# Altium PCB power.PcbDoc (part 1 of 2)
Units mm, origin at the board's own origin, x right, y up, seen from the top; angles counter-clockwise.
Board outline 95 x 58 mm, 6 copper layers (Top Layer, GND, Inner 1, Inner 2, PWR, Bottom Layer), stack 1.651 mm thick; 197 components, 106 nets, 625 pads, 626 vias.
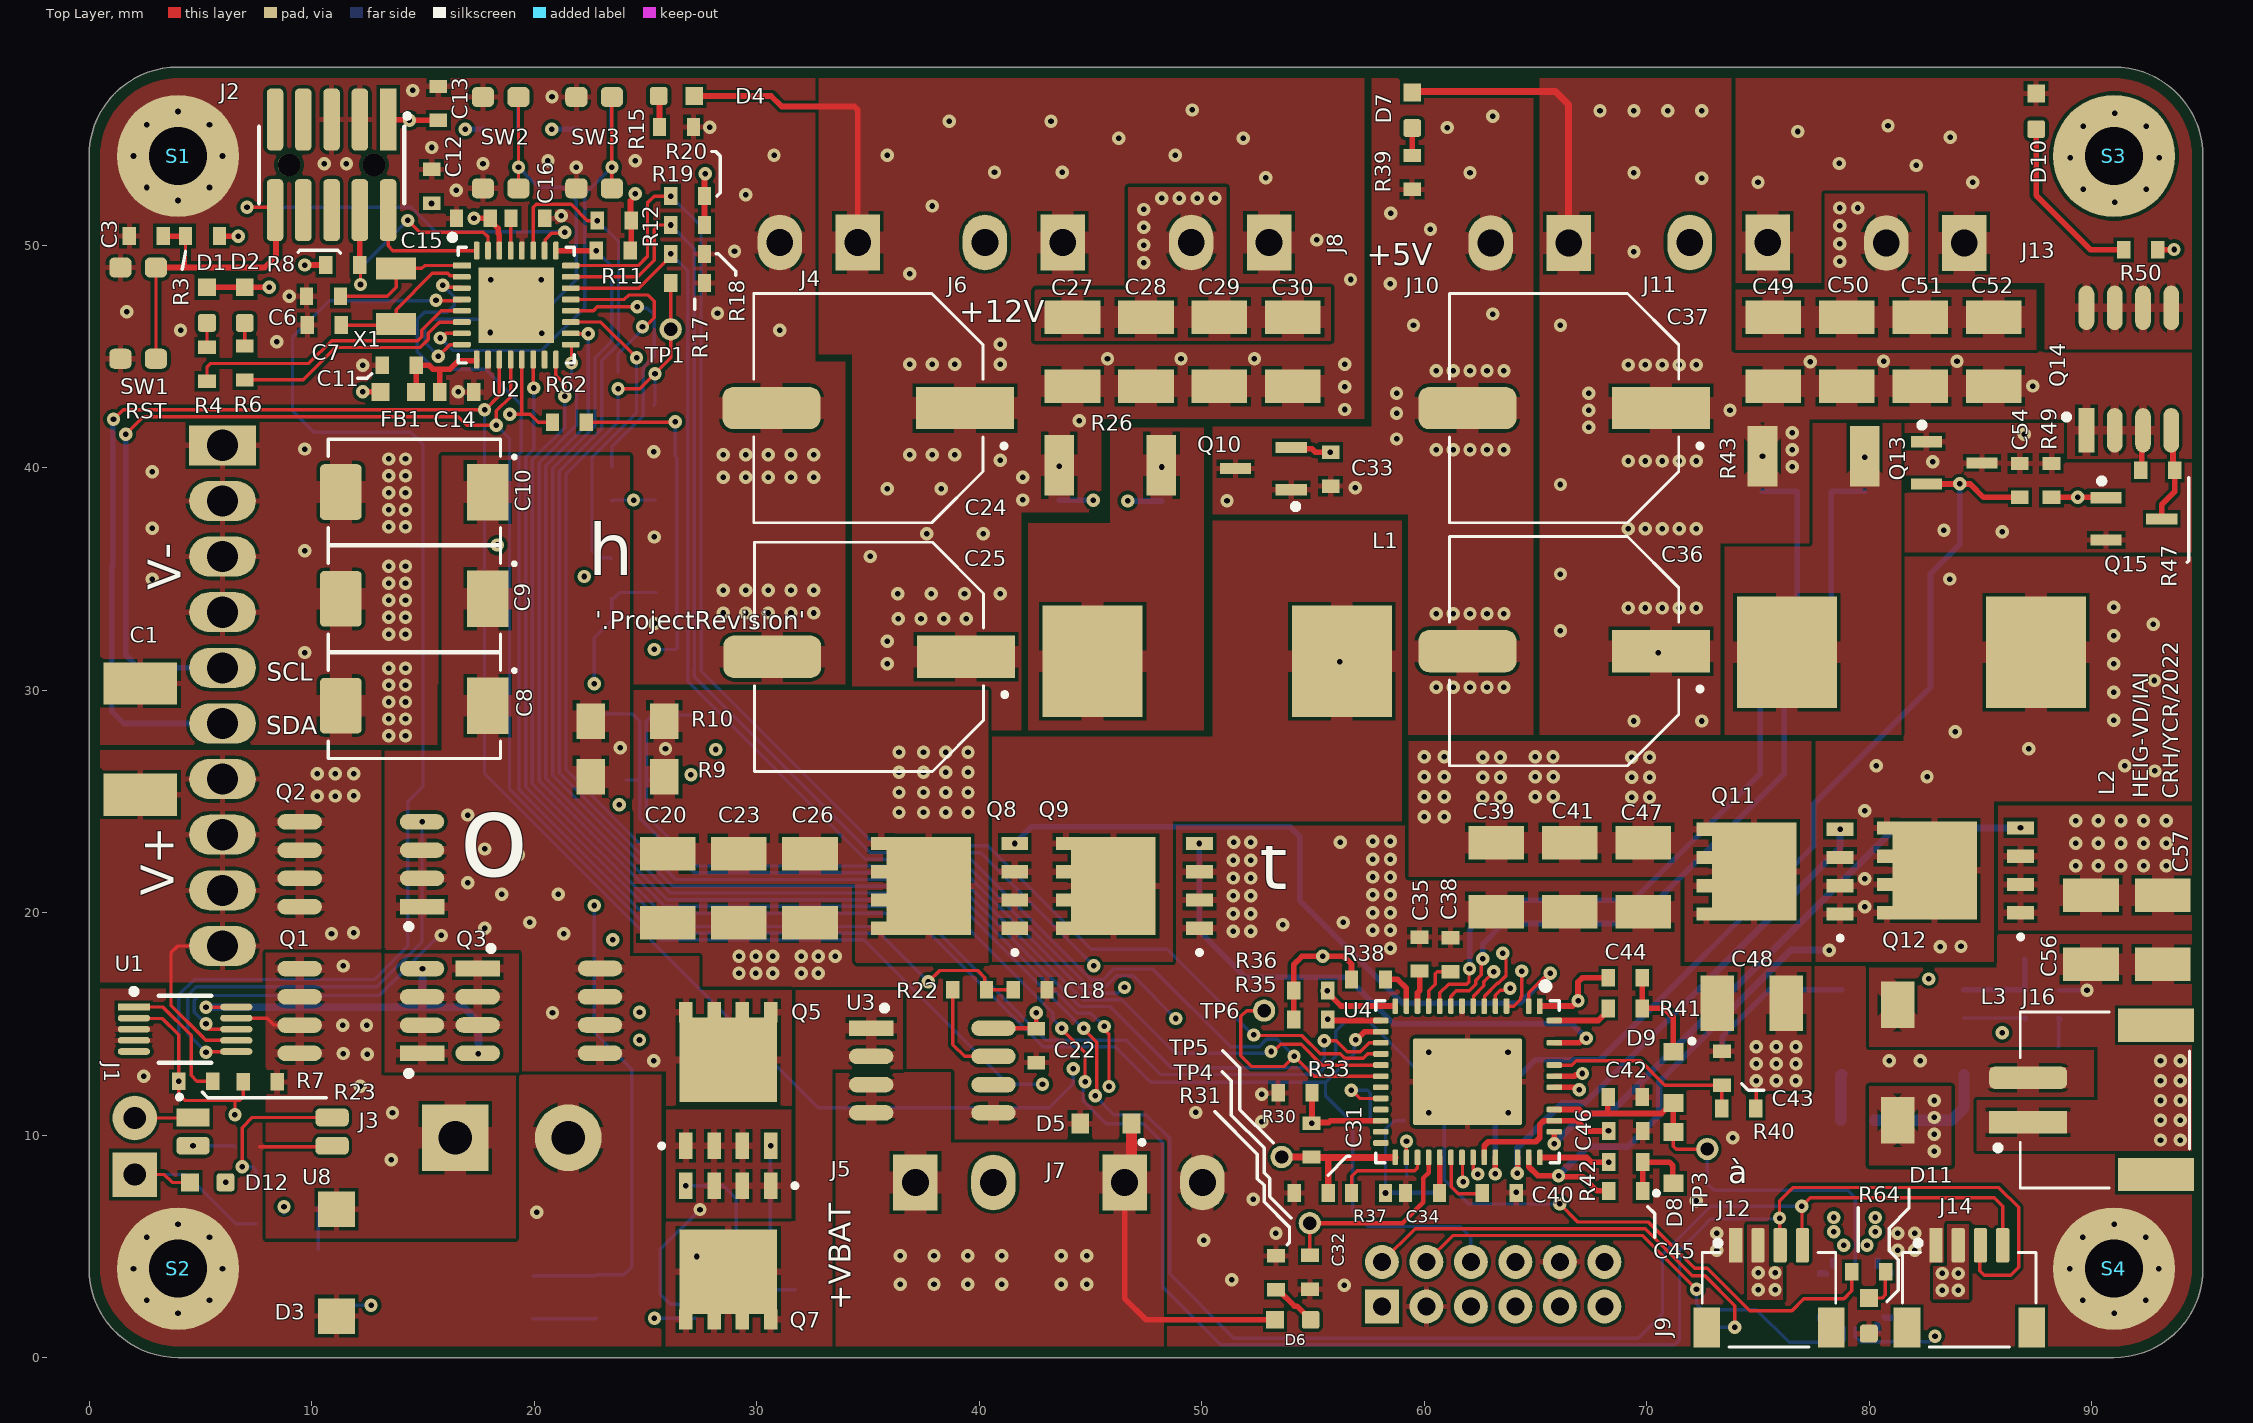
[diagram p0: Top Layer view]
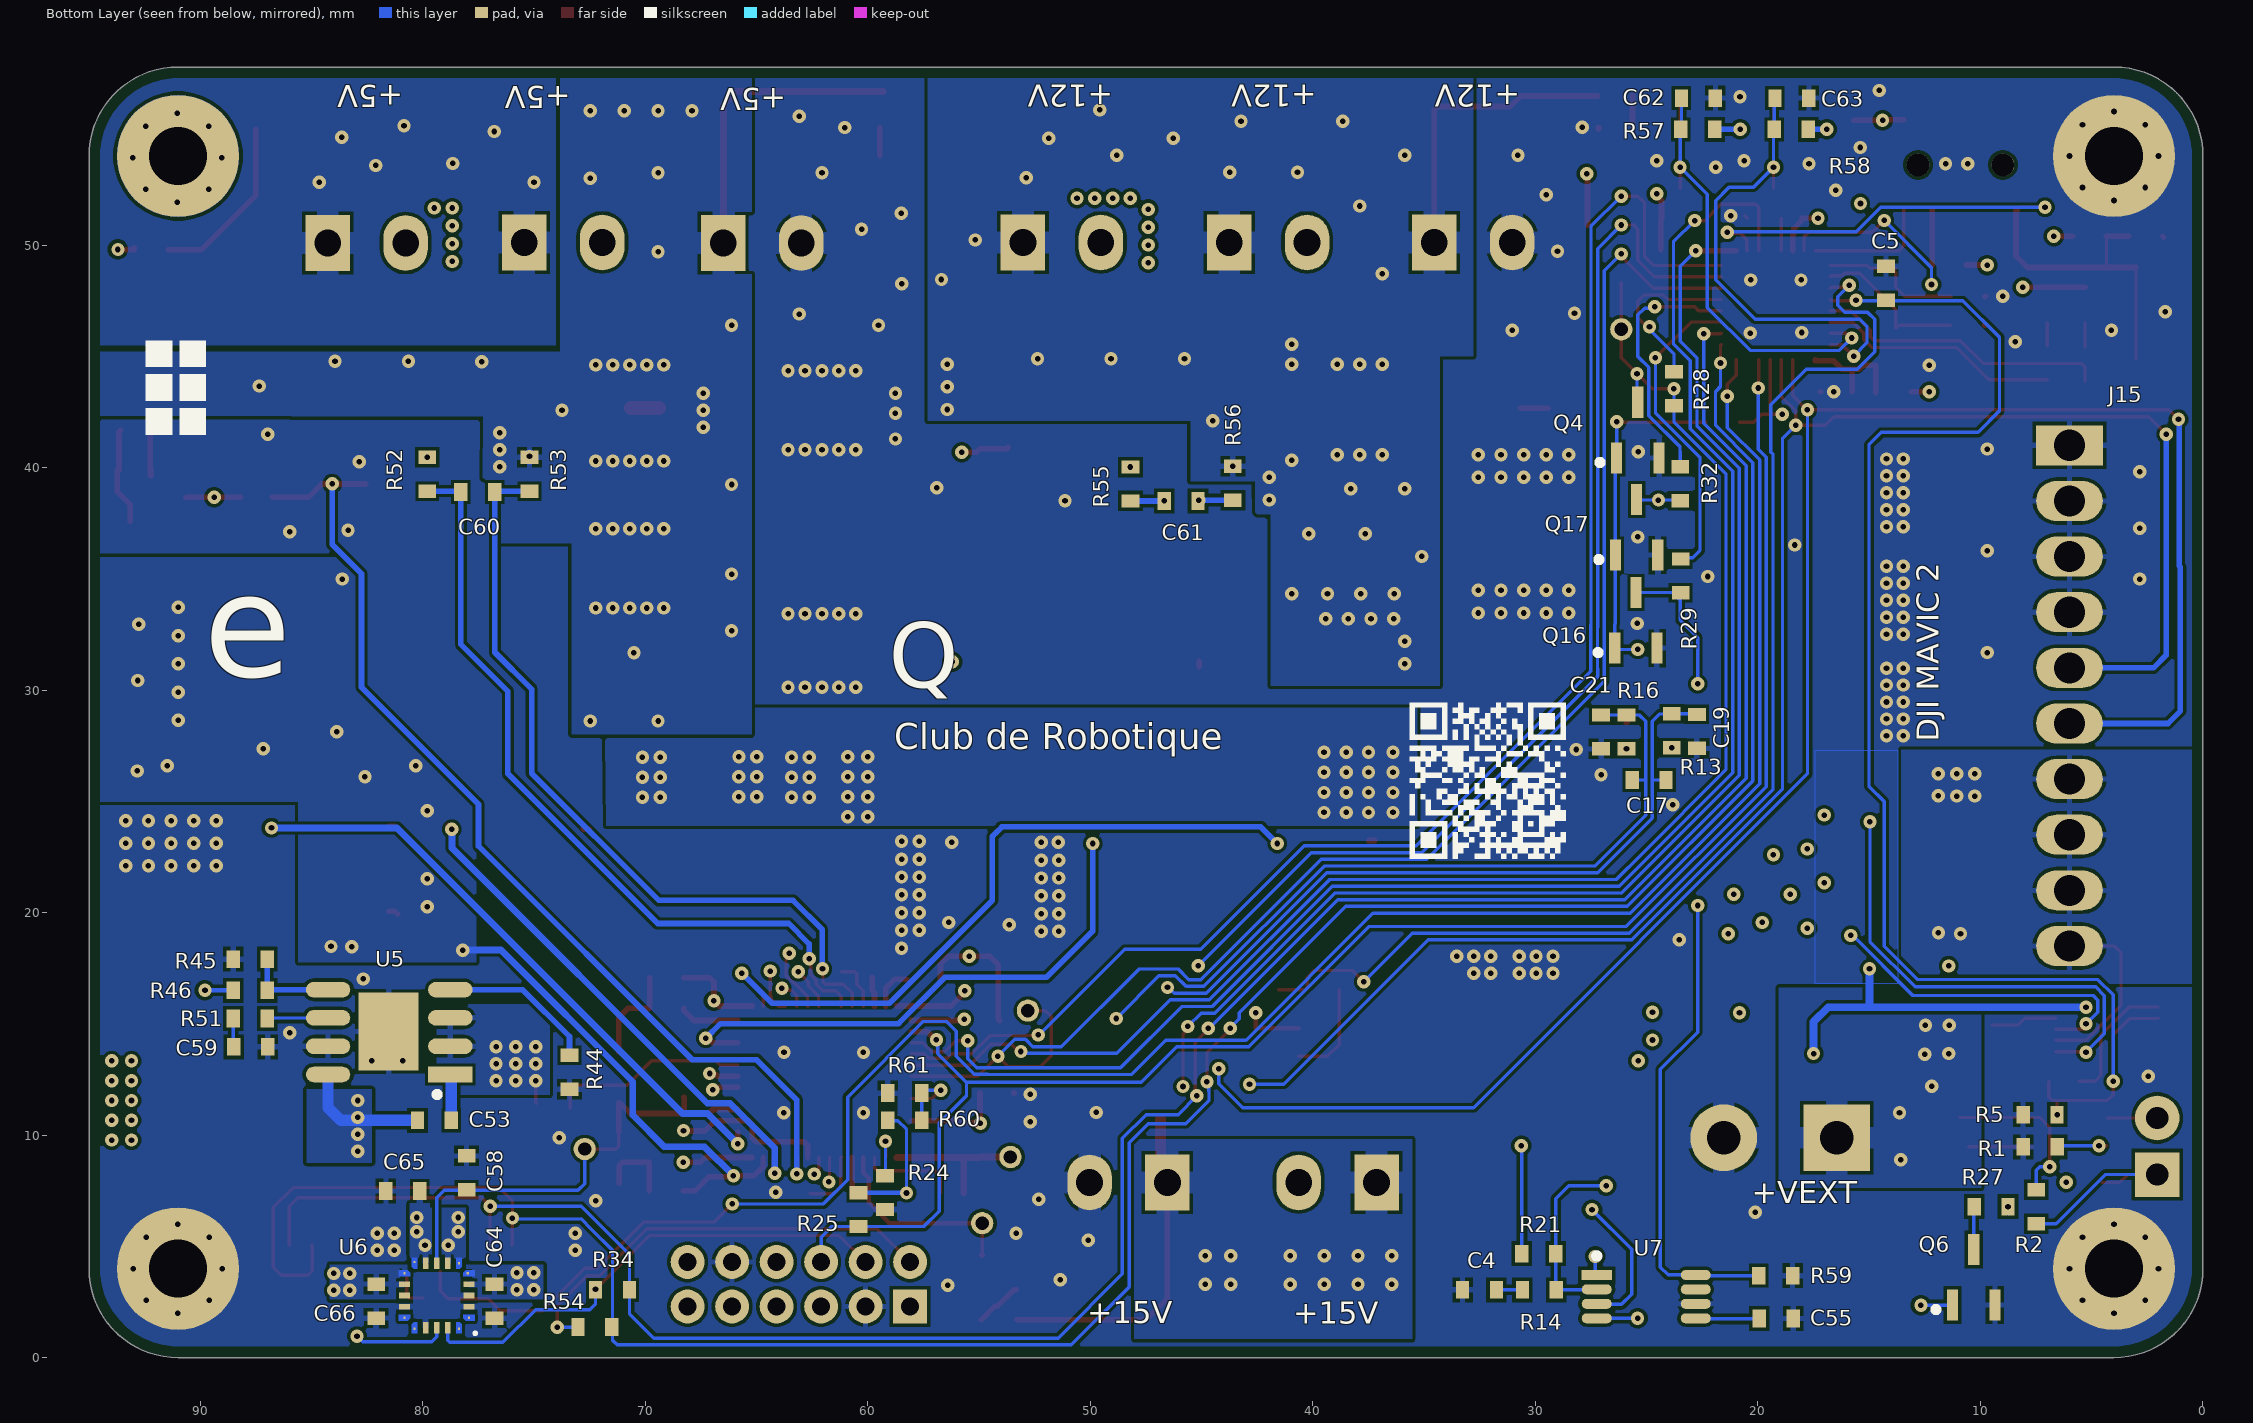
[diagram p1: Bottom Layer view, seen from below]
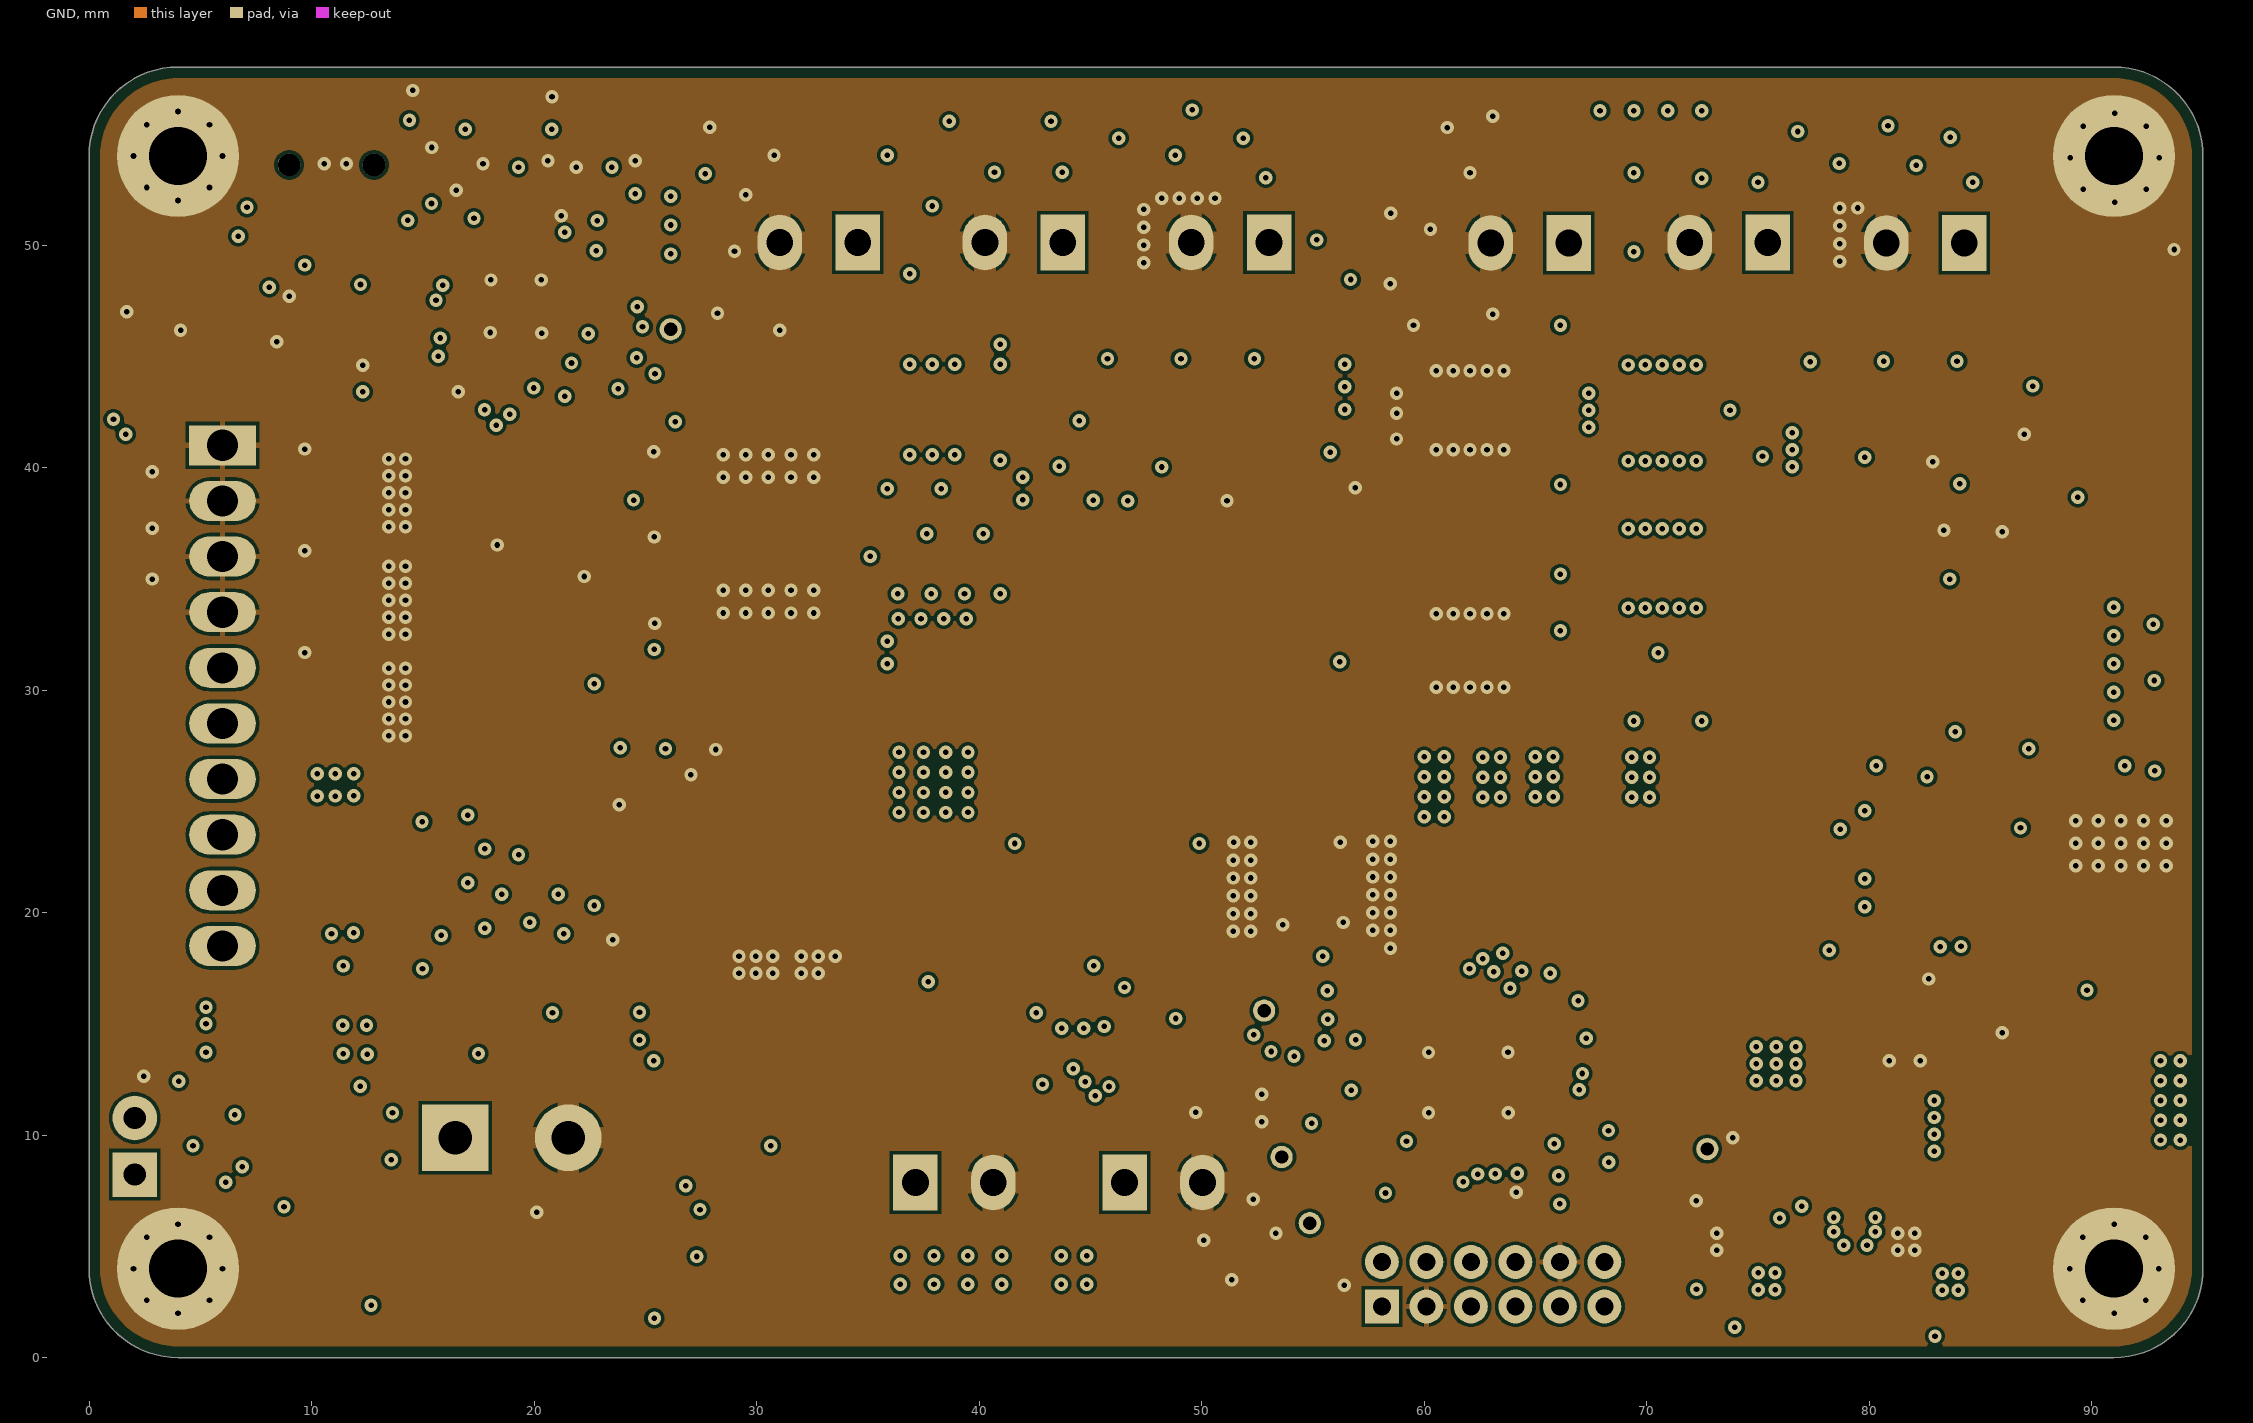
[diagram p2: GND]
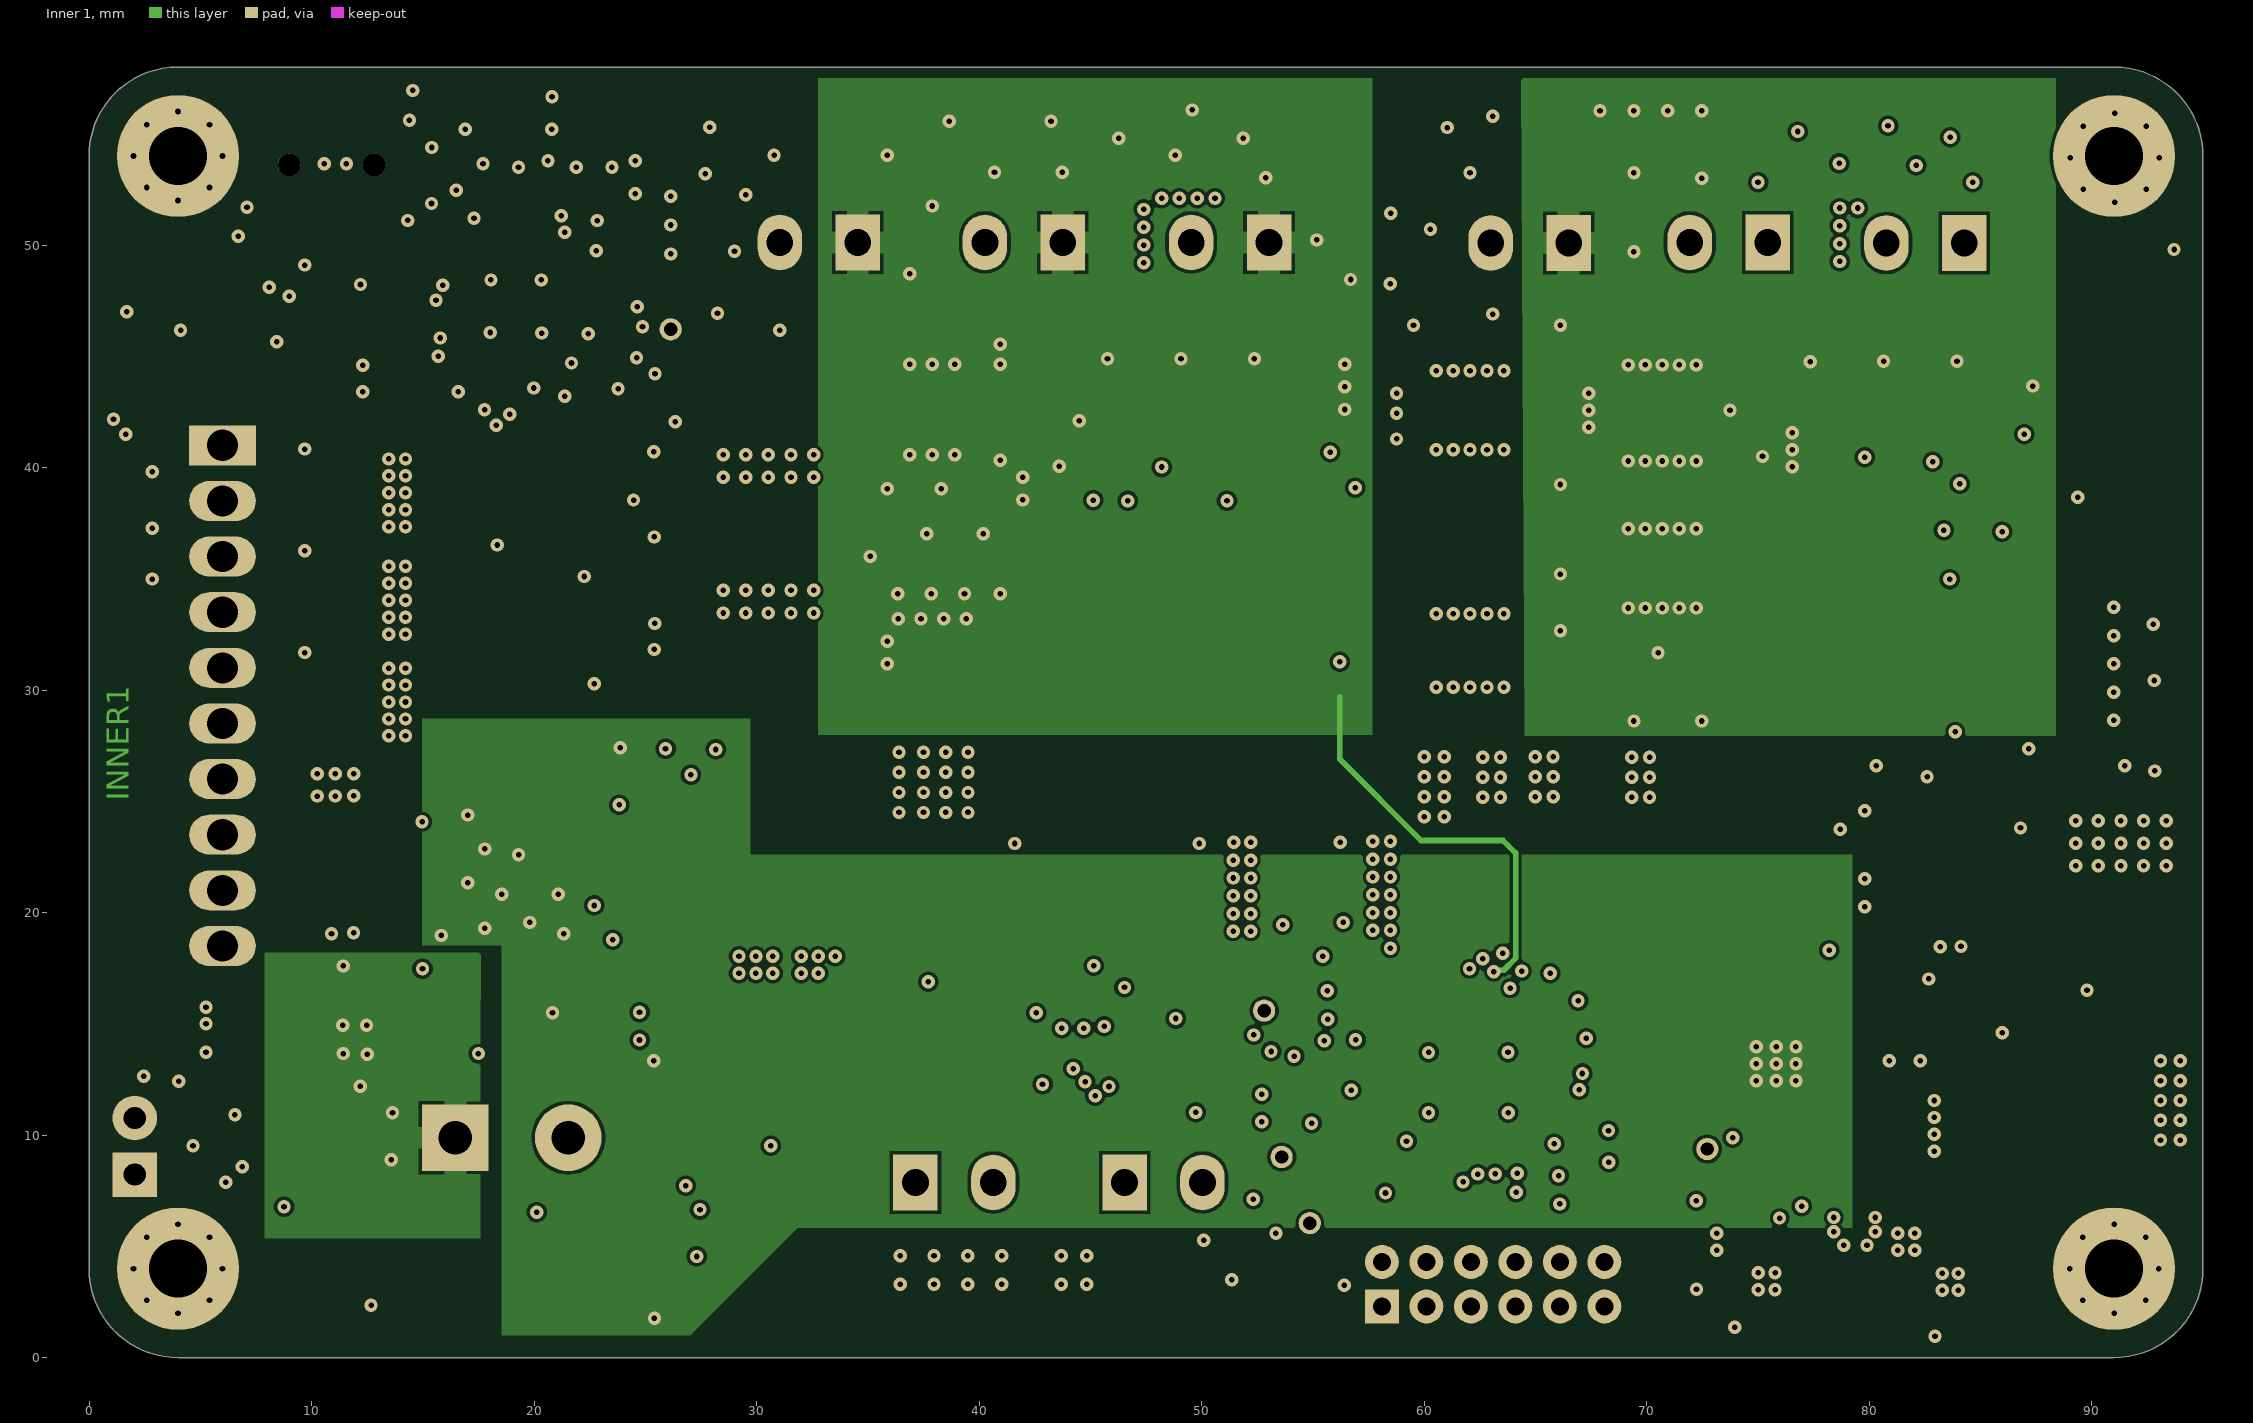
[diagram p3: Inner 1]